# Altium PCB controller.PcbDoc (part 1 of 2) (continued)
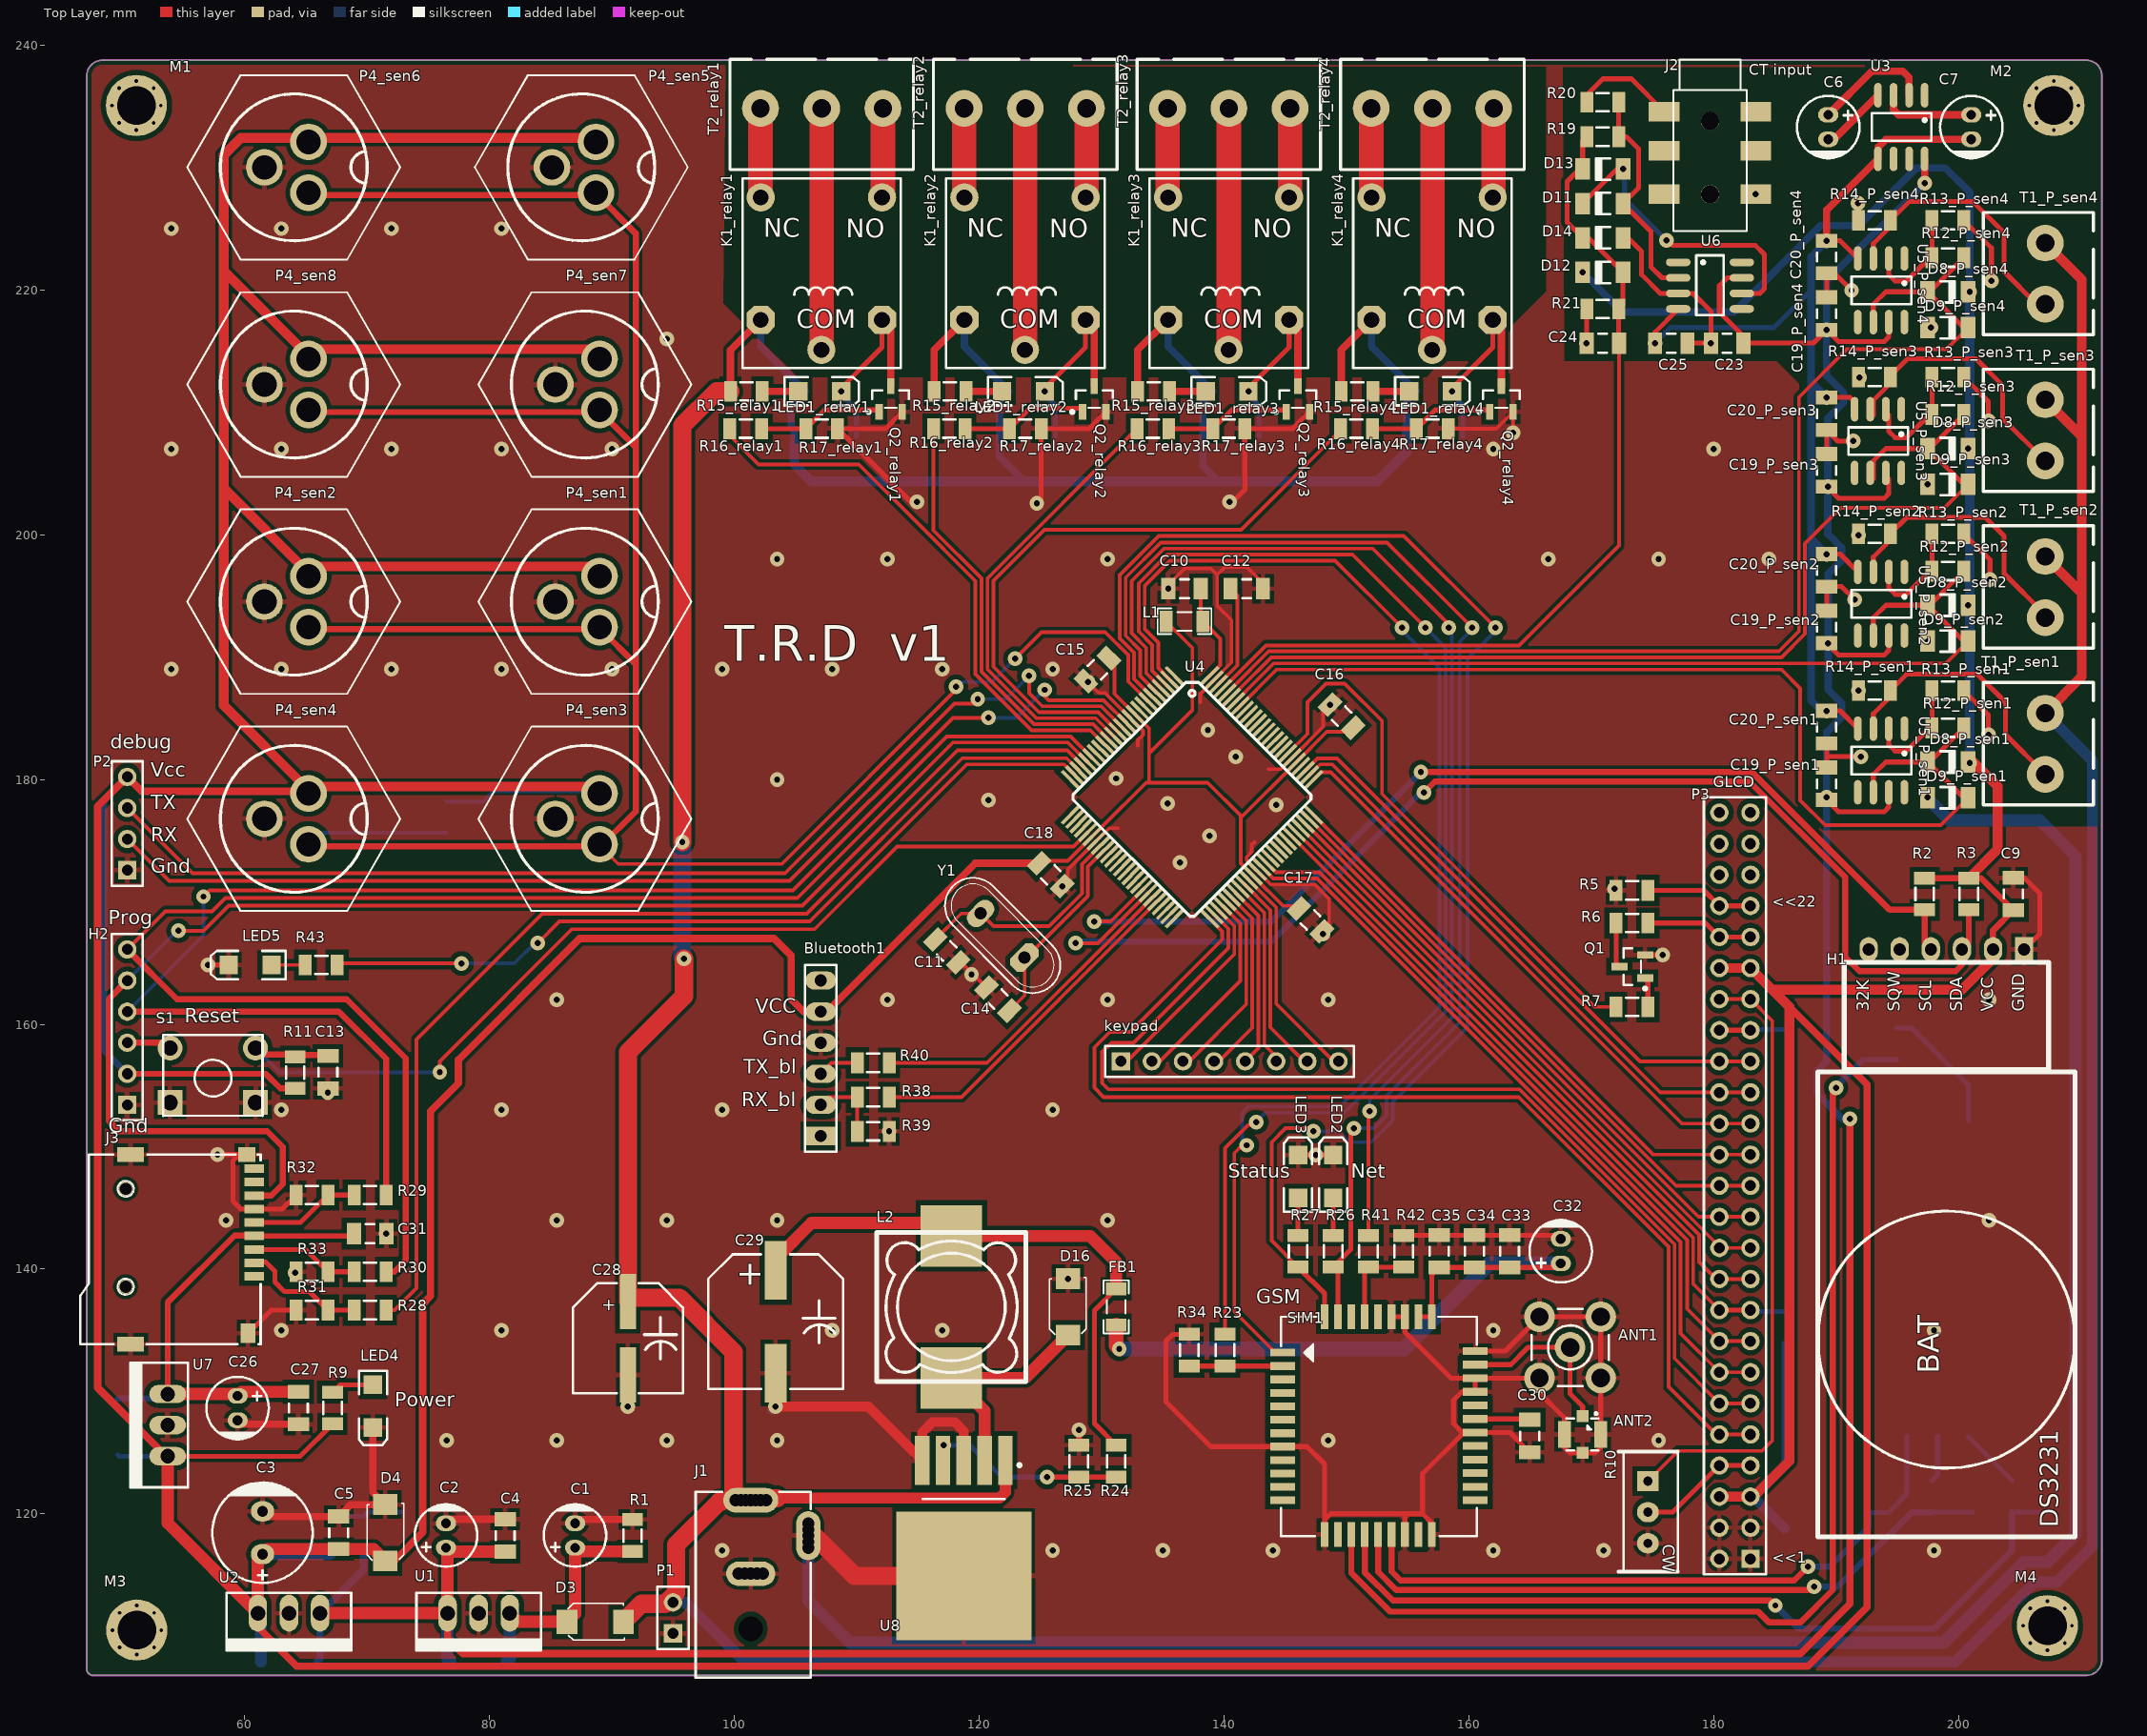
[diagram p0: Top Layer view]
## Components (designator, comment, footprint, x,y, rotation, side; value= is the part's Value field where it differs from the comment)
ANT1 "Antenna" SMA 168.275,133.604 r0 top
ANT2 "Antenna" "UFL ant" 169.291,126.492 r180 top
Bluetooth1 "H-1x6" H-1x6 107.061,157.353 r90 top
C1 "100uF" "cap 01" 86.995,118.237 r270 top
C2 "100uF" "cap 01" 76.454,118.237 r270 top
C3 "1000uF" "cap 03" 61.468,118.463 r270 top
C4 "Cap" "CAP 1206 (3216X15L)" 81.28,118.237 r270 top value=100nF
C5 "Cap" "CAP 1206 (3216X15L)" 67.691,118.463 r270 top value=100nF
C6 "Cap" "cap 01" 189.357,233.299 r90 top value=100u
C7 "Cap" "cap 01" 201.041,233.299 r90 top value=100u
C8 "Cap" "CAP 1206 (3216X15L)" 185.801,117.475 r90 bottom value=100nF
C9 "Cap" "CAP 1206 (3216X15L)" 204.47,170.644 r270 top value=100nF
C10 "Cap" "CAP 1206 (3216X15L)" 136.779,195.58 r0 top value=100nF
C11 "Cap" "CAP 1206 (3216X15L)" 117.348,165.989 r315 top value=22pF
C12 "Cap" "CAP 1206 (3216X15L)" 141.859,195.58 r180 top value=100nF
C13 "Cap" "CAP 1206 (3216X15L)" 66.802,156.083 r270 top value=10nF
C14 "Cap" "CAP 1206 (3216X15L)" 121.539,162.052 r135 top value=22pF
C15 "Cap" "CAP 1206 (3216X15L)" 129.667,188.976 r45 top value=100nF
C16 "Cap" "CAP 1206 (3216X15L)" 149.606,185.166 r315 top value=100nF
C17 "Cap" "CAP 1206 (3216X15L)" 147.066,168.529 r135 top value=100nF
C18 "Cap" "CAP 1206 (3216X15L)" 125.857,172.212 r135 top value=100nF
C19_P_sen1 "Cap" "CAP 1206 (3216X15L)" 189.23,179.65 r90 top value=100nF (schematic designator C19)
C19_P_sen2 "Cap" "CAP 1206 (3216X15L)" 189.23,192.453 r90 top value=100nF (schematic designator C19)
C19_P_sen3 "Cap" "CAP 1206 (3216X15L)" 189.23,205.256 r90 top value=100nF (schematic designator C19)
C19_P_sen4 "Cap" "CAP 1206 (3216X15L)" 189.23,218.059 r90 top value=100nF (schematic designator C19)
C20_P_sen1 "Cap" "CAP 1206 (3216X15L)" 189.23,184.277 r90 top value=100nF (schematic designator C20)
C20_P_sen2 "Cap" "CAP 1206 (3216X15L)" 189.23,197.08 r90 top value=100nF (schematic designator C20)
C20_P_sen3 "Cap" "CAP 1206 (3216X15L)" 189.23,209.883 r90 top value=100nF (schematic designator C20)
C20_P_sen4 "Cap" "CAP 1206 (3216X15L)" 189.23,222.686 r90 top value=100nF (schematic designator C20)
C21_relay1 "Cap" "CAP 1206 (3216X15L)" 107.141,211.709 r180 bottom value=100nF (schematic designator C21)
C21_relay2 "Cap" "CAP 1206 (3216X15L)" 123.77,211.709 r180 bottom value=100nF (schematic designator C21)
C21_relay3 "Cap" "CAP 1206 (3216X15L)" 140.399,211.709 r180 bottom value=100nF (schematic designator C21)
C21_relay4 "Cap" "CAP 1206 (3216X15L)" 157.028,211.709 r180 bottom value=100nF (schematic designator C21)
C22 "Cap" "CAP 1206 (3216X15L)" 79.121,176.856 r90 bottom value=100nF
C23 "Cap" "CAP 1206 (3216X15L)" 181.1,215.646 r180 top value=100nF
C24 "Cap" "CAP 1206 (3216X15L)" 170.94,215.646 r0 top value=22uF
C25 "Cap" "CAP 1206 (3216X15L)" 176.528,215.646 r180 top value=100nF
C26 "100uF" "cap 01" 59.436,128.651 r90 top
C27 "Cap" "CAP 1206 (3216X15L)" 64.389,128.651 r90 top value=100nF
C28 "" "Cap SMD 100UF 35~50v" 91.313,134.356 r90 top value=100uF
C29 "" "CAP SMD 1000UF 16V" 103.378,135.706 r90 top value=1000uF
C30 "Cap" "CAP 1206 (3216X15L)" 164.973,126.365 r90 top value=4.7u
C31 "Cap" "CAP 1206 (3216X15L)" 70.259,142.892 r180 top value=100nF
C32 "100uF" "cap 01" 167.513,141.462 r270 top
C33 "Cap" "CAP 1206 (3216X15L)" 163.322,141.462 r270 top value=10pF
C34 "Cap" "CAP 1206 (3216X15L)" 160.447,141.462 r270 top value=33pF
C35 "Cap" "CAP 1206 (3216X15L)" 157.573,141.462 r270 top value=100nF
C36 "Cap" "CAP 1206 (3216X15L)" 192.151,158.397 r270 bottom value=22pF
C37 "Cap" "CAP 1206 (3216X15L)" 192.659,121.44 r270 bottom value=100nF
C38 "Cap" "CAP 1206 (3216X15L)" 201.142,121.44 r270 bottom value=22pF
C39 "Cap" "CAP 1206 (3216X15L)" 207.645,121.44 r270 bottom value=22pF
D1 "uf4007" "SMA DIODE 2" 79.121,108.712 r0 bottom
D2 "uf4007" "SMA DIODE 2" 63.627,108.585 r0 bottom
D3 "uf4007" "SMA DIODE 2" 88.646,111.188 r180 top
D4 "uf4007" "SMA DIODE 2" 71.501,118.463 r270 top
D5 "1n4148" LL4148 67.056,118.491 r90 bottom
D7 "Diode Zener" LL4148 72.771,118.491 r90 bottom
D8_P_sen1 "1N4148" LL4148 199.136,181.428 r0 top (schematic designator D8)
D8_P_sen2 "1N4148" LL4148 199.136,194.231 r0 top (schematic designator D8)
D8_P_sen3 "1N4148" LL4148 199.136,207.034 r0 top (schematic designator D8)
D8_P_sen4 "1N4148" LL4148 199.136,219.837 r0 top (schematic designator D8)
D9_P_sen1 "1N4148" LL4148 199.136,178.507 r0 top (schematic designator D9)
D9_P_sen2 "1N4148" LL4148 199.136,191.31 r0 top (schematic designator D9)
D9_P_sen3 "1N4148" LL4148 199.136,204.113 r0 top (schematic designator D9)
D9_P_sen4 "1N4148" LL4148 199.136,216.916 r0 top (schematic designator D9)
D10_relay1 "UF4007" "SMA DIODE 2" 107.316,208.026 r180 bottom (schematic designator D10)
D10_relay2 "UF4007" "SMA DIODE 2" 123.945,208.026 r180 bottom (schematic designator D10)
D10_relay3 "UF4007" "SMA DIODE 2" 140.574,208.026 r180 bottom (schematic designator D10)
D10_relay4 "UF4007" "SMA DIODE 2" 157.203,208.026 r180 bottom (schematic designator D10)
D11 "1N4148" LL4148 170.94,227.059 r180 top
D12 "1N4148" LL4148 170.94,221.427 r180 top
D13 "1N4148" LL4148 170.94,229.875 r180 top
D14 "1N4148" LL4148 170.94,224.243 r180 top
D15 "uf4007" "SMA DIODE 2" 49.657,127.127 r270 bottom
D16 "1n5822" "SMA DIODE 2" 127.254,136.906 r270 top
FB1 "Ferrite bead" FB1206 131.191,136.906 r270 top value=270R
H1 "H-1x6" ds3231 205.359,166.116 r90 top
H2 "programer" HDR1X6 50.419,153.416 r90 top
J1 "Power Jack" "Power Jack" 101.346,106.617 r90 top
J2 "3.5mm headphone jack" "PHONE JACK" 179.703,233.807 r270 top
J3 "MicroSD" SD_card 55.542,141.607 r270 top
K1_relay1 "Relay" "Relay 15.40x12.10x13.10" 107.116,215.101 r0 top (schematic designator K1)
K1_relay2 "Relay" "Relay 15.40x12.10x13.10" 123.745,215.101 r0 top (schematic designator K1)
K1_relay3 "Relay" "Relay 15.40x12.10x13.10" 140.374,215.101 r0 top (schematic designator K1)
K1_relay4 "Relay" "Relay 15.40x12.10x13.10" 157.003,215.101 r0 top (schematic designator K1)
keypad "Header 8" HDR1X8 131.572,156.972 r0 top
L1 "Inductor" IND1206 136.779,192.913 r180 top value=10uH
L2 "Inductor" INDUCTOR 117.729,136.906 r180 top value=100uH
LED1_relay1 "LED0" "LED 1206" 106.991,211.709 r0 top (schematic designator LED1)
LED1_relay2 "LED0" "LED 1206" 123.62,211.709 r0 top (schematic designator LED1)
LED1_relay3 "LED0" "LED 1206" 140.249,211.709 r0 top (schematic designator LED1)
LED1_relay4 "LED0" "LED 1206" 156.878,211.709 r0 top (schematic designator LED1)
LED2 "LED" "LED 1206" 148.924,147.574 r90 top
LED3 "LED" "LED 1206" 146.05,147.574 r90 top
LED4 "LED" "LED 1206" 70.485,128.801 r270 top
LED5 "LED" "LED 1206" 60.452,164.846 r180 top
M1 "Screw" "Board Screw" 51.164,235.06 r180 top
M2 "Screw" "Board Screw" 207.789,235.06 r180 top
M3 "Screw" "Board Screw" 51.198,110.507 r0 top
M4 "Screw" "Board Screw" 207.264,110.871 r0 top
P1 "Header 2" HDR1X2 94.996,110.236 r90 top
P2 "Header 4" HDR1X4 50.419,172.593 r90 top
P3 "Header 25X2" HDR2X25 183.007,116.332 r90 top
P4_sen1 "Header 3" "3PIN CONNECTOR" 87.793,194.525 r90 top (schematic designator P4)
P4_sen2 "Header 3" "3PIN CONNECTOR" 64.02,194.525 r90 top (schematic designator P4)
P4_sen3 "Header 3" "3PIN CONNECTOR" 87.793,176.784 r90 top (schematic designator P4)
P4_sen4 "Header 3" "3PIN CONNECTOR" 64.02,176.784 r90 top (schematic designator P4)
P4_sen5 "Header 3" "3PIN CONNECTOR" 87.503,230.008 r90 top (schematic designator P4)
P4_sen6 "Header 3" "3PIN CONNECTOR" 64.02,230.008 r90 top (schematic designator P4)
P4_sen7 "Header 3" "3PIN CONNECTOR" 87.793,212.266 r90 top (schematic designator P4)
P4_sen8 "Header 3" "3PIN CONNECTOR" 64.02,212.266 r90 top (schematic designator P4)
Q1 "C945" SOT23_N 173.355,164.719 r180 top
Q2_relay1 "C945" SOT23_N 112.776,211.074 r90 top (schematic designator Q2)
Q2_relay2 "C945" SOT23_N 129.405,211.074 r90 top (schematic designator Q2)
Q2_relay3 "C945" SOT23_N 146.034,211.074 r90 top (schematic designator Q2)
Q2_relay4 "C945" SOT23_N 162.663,211.074 r90 top (schematic designator Q2)
R1 "Res1" "RES 1206 (3216X08L)" 91.694,119.535 r270 top value=1K
R2 "Res1" "RES 1206 (3216X08L)" 197.231,171.942 r270 top value=10K
R3 "Res1" "RES 1206 (3216X08L)" 200.838,171.942 r270 top value=10K
R4 "Res1" "RES 1206 (3216X08L)" 69.723,117.193 r90 bottom value=10K
R5 "Res1" "RES 1206 (3216X08L)" 172.029,170.942 r0 top value=10K
R6 "Res1" "RES 1206 (3216X08L)" 172.029,168.275 r0 top value=330
R7 "Res1" "RES 1206 (3216X08L)" 174.625,161.417 r180 top value=10K
R8 "Res1" "RES 1206 (3216X08L)" 185.801,133.929 r90 bottom value=1K
R9 "Res1" "RES 1206 (3216X08L)" 67.183,127.353 r90 top value=4.7K
R10 "Multi_turn" "Multi Turn 02" 174.625,122.682 r0 top value=50K
R11 "Res1" "RES 1206 (3216X08L)" 64.135,157.353 r270 top value=1K
R12_P_sen1 "Res1" "RES 1206 (3216X08L)" 197.838,184.222 r0 top value=5.1K (schematic designator R12)
R12_P_sen2 "Res1" "RES 1206 (3216X08L)" 197.838,197.025 r0 top value=5.1K (schematic designator R12)
R12_P_sen3 "Res1" "RES 1206 (3216X08L)" 197.838,209.828 r0 top value=5.1K (schematic designator R12)
R12_P_sen4 "Res1" "RES 1206 (3216X08L)" 197.838,222.631 r0 top value=5.1K (schematic designator R12)
R13_P_sen1 "Res1" "RES 1206 (3216X08L)" 200.434,187.27 r180 top value=1.2K (schematic designator R13)
R13_P_sen2 "Res1" "RES 1206 (3216X08L)" 200.434,200.073 r180 top value=1.2K (schematic designator R13)
R13_P_sen3 "Res1" "RES 1206 (3216X08L)" 200.434,212.876 r180 top value=1.2K (schematic designator R13)
R13_P_sen4 "Res1" "RES 1206 (3216X08L)" 200.434,225.679 r180 top value=1.2K (schematic designator R13)
R14_P_sen1 "Res1" "RES 1206 (3216X08L)" 191.841,187.27 r0 top value=47 (schematic designator R14)
R14_P_sen2 "Res1" "RES 1206 (3216X08L)" 191.841,200.073 r0 top value=47 (schematic designator R14)
R14_P_sen3 "Res1" "RES 1206 (3216X08L)" 191.841,212.876 r0 top value=47 (schematic designator R14)
R14_P_sen4 "Res1" "RES 1206 (3216X08L)" 191.841,225.679 r0 top value=47 (schematic designator R14)
R15_relay1 "Res1" "RES 1206 (3216X08L)" 102.291,211.709 r180 top value=1K (schematic designator R15)
R15_relay2 "Res1" "RES 1206 (3216X08L)" 118.92,211.709 r180 top value=1K (schematic designator R15)
R15_relay3 "Res1" "RES 1206 (3216X08L)" 135.549,211.709 r180 top value=1K (schematic designator R15)
R15_relay4 "Res1" "RES 1206 (3216X08L)" 152.178,211.709 r180 top value=1K (schematic designator R15)
R16_relay1 "Res1" "RES 1206 (3216X08L)" 102.235,208.661 r180 top value=10K (schematic designator R16)
R16_relay2 "Res1" "RES 1206 (3216X08L)" 118.864,208.661 r180 top value=10K (schematic designator R16)
R16_relay3 "Res1" "RES 1206 (3216X08L)" 135.493,208.661 r180 top value=10K (schematic designator R16)
R16_relay4 "Res1" "RES 1206 (3216X08L)" 152.122,208.661 r180 top value=10K (schematic designator R16)
R17_relay1 "Res1" "RES 1206 (3216X08L)" 108.439,208.661 r180 top value=47K (schematic designator R17)
R17_relay2 "Res1" "RES 1206 (3216X08L)" 125.068,208.661 r180 top value=47K (schematic designator R17)
R17_relay3 "Res1" "RES 1206 (3216X08L)" 141.697,208.661 r180 top value=47K (schematic designator R17)
R17_relay4 "Res1" "RES 1206 (3216X08L)" 158.326,208.661 r180 top value=47K (schematic designator R17)
R18 "Res1" "RES 1206 (3216X08L)" 76.454,175.64 r90 bottom value=4.7k
R19 "Res1" "RES 1206 (3216X08L)" 172.238,232.515 r180 top value=5.1k
R20 "Res1" "RES 1206 (3216X08L)" 169.642,235.331 r0 top value=1.2K
R21 "Res1" "RES 1206 (3216X08L)" 169.642,218.437 r0 top value=2.2Meg
R22 "Res1" "RES 1206 (3216X08L)" 185.801,156.972 r90 bottom value=10K
R23 "Res1" "RES 1206 (3216X08L)" 140.081,132.08 r90 top value=2.2K
R24 "Res1" "RES 1206 (3216X08L)" 131.191,123.007 r90 top value=4.3K
R25 "Res1" "RES 1206 (3216X08L)" 128.143,125.603 r270 top value=1.8K
R26 "Res1" "RES 1206 (3216X08L)" 148.924,140.164 r90 top value=1K
R27 "Res1" "RES 1206 (3216X08L)" 146.05,140.164 r90 top value=1K
R28 "Res1" "RES 1206 (3216X08L)" 68.961,136.652 r0 top value=2.2K
R29 "Res1" "RES 1206 (3216X08L)" 68.961,146.05 r0 top value=2.2K
R30 "Res1" "RES 1206 (3216X08L)" 68.961,139.785 r0 top value=2.2K
R31 "Res1" "RES 1206 (3216X08L)" 64.206,136.652 r0 top value=3.3K
R32 "Res1" "RES 1206 (3216X08L)" 64.206,146.05 r0 top value=3.3K
R33 "Res1" "RES 1206 (3216X08L)" 64.206,139.785 r0 top value=3.3K
R34 "Res1" "RES 1206 (3216X08L)" 137.16,132.08 r90 top value=3.3K
R35 "Res1" "RES 1206 (3216X08L)" 194.945,159.695 r270 bottom value=51
R36 "Res1" "RES 1206 (3216X08L)" 197.866,120.142 r90 bottom value=51
R37 "Res1" "RES 1206 (3216X08L)" 204.369,120.142 r90 bottom value=51
R38 "Res1" "RES 1206 (3216X08L)" 112.649,154.051 r180 top value=2.2k
R39 "Res1" "RES 1206 (3216X08L)" 112.649,151.257 r180 top value=3.3k
R40 "Res1" "RES 1206 (3216X08L)" 110.053,156.845 r0 top value=1K
R41 "Res1" "RES 1206 (3216X08L)" 151.799,142.76 r270 top value=2.2K
R42 "Res1" "RES 1206 (3216X08L)" 154.673,142.76 r270 top value=3.3K
R43 "Res1" "RES 1206 (3216X08L)" 67.564,164.846 r180 top value=4.7K
S1 "Switch PB" "Switch - Push to On" 57.404,155.829 r180 top
SIM1 "GSM Module" SIM800C 144.907,133.177 r90 top
SIM2 "SIM HOLDER" simcard_holder 198.308,138.008 r180 bottom
T1_P_sen1 "Terminal" "Terminal 1*2" 211.018,177.919 r90 top (schematic designator T1)
T1_P_sen2 "Terminal" "Terminal 1*2" 211.018,190.722 r90 top (schematic designator T1)
T1_P_sen3 "Terminal" "Terminal 1*2" 211.018,203.525 r90 top (schematic designator T1)
T1_P_sen4 "Terminal" "Terminal 1*2" 211.018,216.328 r90 top (schematic designator T1)
T2_relay1 "Terminal" "Terminal 1*3" 114.641,238.823 r180 top (schematic designator T2)
T2_relay2 "Terminal" "Terminal 1*3" 131.27,238.823 r180 top (schematic designator T2)
T2_relay3 "Terminal" "Terminal 1*3" 147.899,238.823 r180 top (schematic designator T2)
T2_relay4 "Terminal" "Terminal 1*3" 164.528,238.823 r180 top (schematic designator T2)
U1 "7808" REG-7805-WALL 79.121,111.887 r180 top
U2 "7805" REG-7805-WALL 63.627,111.887 r180 top
U3 "7660" SOIC8-Narrow 195.326,233.299 r180 top
U4 "ATMEGA2560" MY_ATMEGA2560 135.863,180.434 r315 top
U5_P_sen1 "ADOP27AH" SOIC8-Narrow 193.675,181.555 r180 top (schematic designator U5)
U5_P_sen2 "ADOP27AH" SOIC8-Narrow 193.675,194.358 r180 top (schematic designator U5)
U5_P_sen3 "ADOP27AH" SOIC8-Narrow 193.421,207.645 r180 top (schematic designator U5)
U5_P_sen4 "ADOP27AH" SOIC8-Narrow 193.675,219.964 r180 top (schematic designator U5)
U6 "ADOP27AH" SOIC8-Narrow 179.703,220.345 r270 top
U7 "lf33" REG-7805-WALL 53.721,127.254 r90 top
U8 "lm2576-adj" 2596 118.745,117.983 r270 top
Y1 "16Mhz" My_Crystal 121.92,167.259 r135 top

## Footprints (in the part's own frame and the unit in brackets; to place one, negate y for a bottom-side part, rotate by r counter-clockwise, add the part's x,y. Pads: shape width x height; smd on the part's side, far side on the other; paste and mask are expansions set on the pad)
"3PIN CONNECTOR" [mm]
  round 3 hole 2: 1(0,2.4) 2(-2.078,-1.2) 3(2.078,-1.2)
  silkscreen extent -7.53,-8.7 7.53,8.7
2596 [mm]
  rect 4x1.2 smd: 1(-6.4,3.4) 2(-6.4,1.7) 3(-6.4,0) 4(-6.4,-1.7) 5(-6.4,-3.4)
  rect 10.5x11.05 smd: 3(3.048,0)
  silkscreen extent -6.12,-3.35 -3.25,4.68, body extent -2.05,-3.35 4.15,3.35, height 2.38
"Board Screw" [mm]
  round 0.6 hole 0.3: S(-2,0) S(-1.414,1.414) S(-1.414,-1.414) S(0,2) S(0,-2) S(1.414,1.414) S(1.414,-1.414) S(2,0)
  round 5 hole 3.15 mask+0.1: S(0,0)
  body extent -2.67,-2.64 2.69,2.72, height 2.34
"cap 01" [mm]
  oval 1.27x1.651 hole 0.8: 1(1,0) 2(-1,0)
  silkscreen extent -2.55,-2.55 2.55,2.55, body extent -2.53,-2.53 2.53,2.53, height 12.54
"cap 03" [mil]
  oval 65x75 hole 35: 1(68.9,0) 2(-68.9,0)
  silkscreen extent -161,-161 161,161, body extent -159,-159 157,158, height 473
"CAP 1206 (3216X15L)" [mm] "Chip Capacitor, 2-Leads, Body 3.2x1.6mm, IPC High Density"
  rect 1.15x1.75 smd: 1(-1.325,0) 2(1.325,0)
  silkscreen extent -0.35,-0.77 0.35,0.77, body extent -1.6,-0.8 1.6,0.8, height 1
"Cap SMD 100UF 35~50v" [mm]
  rect 4.5x1.3 smd: 1(3,0) 2(-3,0)
  silkscreen extent -4.5,-4.5 4.5,4.5
"CAP SMD 1000UF 16V" [mm]
  rect 4.8x1.8 smd: 1(4.2,0) 2(-4.2,0)
  silkscreen extent -5.5,-5.5 5.5,5.5
ds3231 [mm]
  rect 2x1.5 hole 1: 1(0,0)
  oval 2x1.5 hole 1: 2(0,2.54) 3(0,5.08) 4(0,7.62) 5(0,10.16) 6(0,12.7)
  silkscreen extent -48,-4.15 -1.05,16.85
FB1206 [mm] "Ferrite Chip Bead SMD 1206-Design:Ali Hafizi"
  rect 1.05x1.7 smd: 1(-1.475,0) 2(1.475,0)
  silkscreen extent -2.17,-1.02 2.18,1.02, body extent -1.59,-0.8 1.61,0.8, height 1.1
H-1x6 [mm]
  rect 1.5x2.5 hole 1: 1(-6.477,0)
  oval 1.5x2.5 hole 1: 2(-3.937,0) 3(-1.397,0) 4(1.143,0) 5(3.683,0) 6(6.223,0)
  silkscreen extent -7.75,-1.27 7.49,1.27
HDR1X2 [mm] "Connector; Header; 2 Position"
  rect 1.5x1.5 hole 0.9: 1(0,0)
  round 1.5 hole 0.9: 2(2.54,0)
  silkscreen extent -1.27,-1.27 3.81,1.27
HDR1X4 [mm] "Connector; Header; 4 Position"
  rect 1.5x1.5 hole 0.9: 1(0,0)
  round 1.5 hole 0.9: 2(2.54,0) 3(5.08,0) 4(7.62,0)
  silkscreen extent -1.27,-1.27 8.89,1.27
HDR1X6 [mm] "Connector; Header; 6 Position"
  rect 1.5x1.5 hole 0.9: 1(0,0)
  round 1.5 hole 0.9: 2(2.54,0) 3(5.08,0) 4(7.62,0) 5(10.16,0) 6(12.7,0)
  silkscreen extent -1.27,-1.27 13.97,1.27
HDR1X8 [mm] "Connector; Header; 8 Position"
  rect 1.5x1.5 hole 0.9: 1(0,0)
  round 1.5 hole 0.9: 2(2.54,0) 3(5.08,0) 4(7.62,0) 5(10.16,0) 6(12.7,0) 7(15.24,0) 8(17.78,0)
  silkscreen extent -1.27,-1.27 19.05,1.27
HDR2X25 [mm] "Connector; Header; 25x2 Position"
  rect 1.5x1.5 hole 0.9: 1(0,0)
  round 1.5 hole 0.9: 2(0,2.54) 3(2.54,0) 4(2.54,2.54) 5(5.08,0) 6(5.08,2.54) 7(7.62,0) 8(7.62,2.54) 9(10.16,0) 10(10.16,2.54) 11(12.7,0) 12(12.7,2.54) 13(15.24,0) 14(15.24,2.54) 15(17.78,0) 16(17.78,2.54) 17(20.32,0) 18(20.32,2.54) 19(22.86,0) 20(22.86,2.54) 21(25.4,0) 22(25.4,2.54) 23(27.94,0) 24(27.94,2.54) 25(30.48,0) 26(30.48,2.54) 27(33.02,0) 28(33.02,2.54) 29(35.56,0) 30(35.56,2.54) 31(38.1,0) 32(38.1,2.54) 33(40.64,0) 34(40.64,2.54) 35(43.18,0) 36(43.18,2.54) 37(45.72,0) 38(45.72,2.54) 39(48.26,0) 40(48.26,2.54) 41(50.8,0) 42(50.8,2.54) 43(53.34,0) 44(53.34,2.54) 45(55.88,0) 46(55.88,2.54) 47(58.42,0) 48(58.42,2.54) 49(60.96,0) 50(60.96,2.54)
  silkscreen extent -1.27,-1.27 62.23,3.81
IND1206 [mm] "Chip Inductor, 2-Leads, Body 3/20x1/60mm, IPC Medium Density DESIGNER:ABBAS BASEREH"
  rect 1.04x1.74 smd: 1(-1.51,0) 2(1.51,0)
  silkscreen extent -2.2,-1.05 2.2,1.05, body extent -1.65,-0.85 1.65,0.85, height 0.94
INDUCTOR [mm]
  rect 5x5 smd: 1(0,5.8) 2(0,-5.8)
  silkscreen extent -6.1,-6.1 6.1,6.1, body extent -6,-6.17 6,6.17, height 7.5
"LED 1206" [mm]
  rect 1.5x1.5 smd: 1(-1.75,0) 2(1.75,0)
  silkscreen extent -2.9,-1.15 3.2,1.15, body extent -1.65,-0.72 1.65,0.73, height 1.36
LL4148 [mm] "MELF Diode, 2-Leads, Body 3.5x1.4mm, IPC Medium Density"
  rect 1.2x1.75 smd: 1(-1.65,0) 2(1.65,0)
  silkscreen extent -0.61,-0.87 0.57,0.88, body extent -1.78,-0.75 1.72,0.75, height 1.55
"Multi Turn 02" [mil]
  rect 70x65 hole 30: 1(0,0)
  oval 70x65 hole 30: 2(0,-200) 3(0,-100)
  silkscreen extent -94,-291 96,94, body extent -73,-285 93,89, height 452
MY_ATMEGA2560 [mm]
  oct 2.1x0.3 smd mask+0.03: 1(-5.587,5.746)
  rect 2.1x0.3 smd mask+0.03: 2(-5.587,5.246) 3(-5.587,4.746) 4(-5.587,4.246) 5(-5.587,3.746) 6(-5.587,3.246) 7(-5.587,2.746) 8(-5.587,2.246) 9(-5.587,1.746) 10(-5.587,1.246) 11(-5.587,0.746) 12(-5.587,0.246) 13(-5.587,-0.254) 14(-5.587,-0.754) 15(-5.587,-1.254) 16(-5.587,-1.754) 17(-5.587,-2.254) 18(-5.587,-2.754) 19(-5.587,-3.254) 20(-5.587,-3.754) 21(-5.587,-4.254) 22(-5.587,-4.754) 23(-5.587,-5.254) 24(-5.587,-5.754) 25(-5.587,-6.254) 51(10.413,-6.254) 52(10.413,-5.754) 53(10.413,-5.254) 54(10.413,-4.754) 55(10.413,-4.254) 56(10.413,-3.754) 57(10.413,-3.254) 58(10.413,-2.754) 59(10.413,-2.254) 60(10.413,-1.754) 61(10.413,-1.254) 62(10.413,-0.754) 63(10.413,-0.254) 64(10.413,0.246) 65(10.413,0.746) 66(10.413,1.246) 67(10.413,1.746) 68(10.413,2.246) 69(10.413,2.746) 70(10.413,3.246) 71(10.413,3.746) 72(10.413,4.246) 73(10.413,4.746) 74(10.413,5.246) 75(10.413,5.746)
  rect 0.3x2.1 smd mask+0.03: 26(-3.587,-8.254) 27(-3.087,-8.254) 28(-2.587,-8.254) 29(-2.087,-8.254) 30(-1.587,-8.254) 31(-1.087,-8.254) 32(-0.587,-8.254) 33(-0.087,-8.254) 34(0.413,-8.254) 35(0.913,-8.254) 36(1.413,-8.254) 37(1.913,-8.254) 38(2.413,-8.254) 39(2.913,-8.254) 40(3.413,-8.254) 41(3.913,-8.254) 42(4.413,-8.254) 43(4.913,-8.254) 44(5.413,-8.254) 45(5.913,-8.254) 46(6.413,-8.254) 47(6.913,-8.254) 48(7.413,-8.254) 49(7.913,-8.254) 50(8.413,-8.254) 76(8.413,7.746) 77(7.913,7.746) 78(7.413,7.746) 79(6.913,7.746) 80(6.413,7.746) 81(5.913,7.746) 82(5.413,7.746) 83(4.913,7.746) 84(4.413,7.746) 85(3.913,7.746) 86(3.413,7.746) 87(2.913,7.746) 88(2.413,7.746) 89(1.913,7.746) 90(1.413,7.746) 91(0.913,7.746) 92(0.413,7.746) 93(-0.087,7.746) 94(-0.587,7.746) 95(-1.087,7.746) 96(-1.587,7.746) 97(-2.087,7.746) 98(-2.587,7.746) 99(-3.087,7.746) 100(-3.587,7.746)
  silkscreen extent -4.59,-7.25 9.41,6.75
My_Crystal [mil]
  oct 60x100 hole 40: 1(-100,0)
  oval 60x100 hole 40: 2(100,0)
  silkscreen extent -225,-90 225,90
"PHONE JACK" [mm]
  round 1.5 hole 1.5: 0(0,0) 0(6,0)
  rect 1.6x2.5 smd: 1(-0.75,3.75) 1(-0.75,-3.75) 2(2.45,3.75) 2(2.45,-3.75) 3(6,3.75) 3(6,-3.75)
  silkscreen extent -5,-3 9,3
"Power Jack" [mm] "Power Adaptor Jack"
  round 1.5 hole 1: 1(14.5,-1.25) 1(14.5,-0.8) 1(14.5,-0.4) 1(14.5,0.4) 1(14.5,0.8) 1(14.5,1.25) 2(8.5,-1) 2(8.5,1) 2(8.5,-0.5) 2(8.5,0.5) 3(10.6,-4.7) 3(11.1,-4.7) 3(12.1,-4.7) 3(12.6,-4.7)
  oval 2x4.5 hole 1: 1(14.5,0)
  oval 2x4 hole 1: 2(8.5,0)
  oval 4x2 hole 1: 3(11.6,-4.7)
  round 1.9 hole 2: MH(4,0)
  silkscreen extent 0,-4.9 15.2,4.5, body extent 0,-4.9 15.2,4.5, height 11
REG-7805-WALL [mm]
  oval 1.5x3 hole 1.2: 1(-2.54,0) 2(0,0) 3(2.54,0)
  silkscreen extent -5.08,-1.65 5.08,3.05, body extent -5.2,-1.71 5.2,2.79, height 20
"Relay 15.40x12.10x13.10" [mm]
  round 2.3 hole 1.3: 1(0,0) 2(-4.95,12.45) 3(4.95,12.45)
  oct 2.3x2.3 hole 1.3: 4(-4.95,2.45) 5(4.95,2.45)
  silkscreen extent -6.45,-1.5 6.5,14, body extent -6.05,-1.3 6.05,14, height 16.1
"RES 1206 (3216X08L)" [mm] "Chip Resistor, 2-Leads, Body 3.2x1.6mm, IPC High Density _ (0.125 W)"
  rect 1.05x1.7 smd: 1(0,0) 2(2.596,0)
  silkscreen extent 0.8,-0.75 1.8,0.75, body extent -0.23,-0.76 2.82,0.76, height 0.6
SD_card [mm]
  round 1.2 hole 1: 0(-4.95,-5.25) 0(3.05,-5.25)
  rect 0.7x1.6 smd: 1(2.2,5.25) 2(1.1,5.25) 3(0,5.25) 4(-1.1,5.25) 5(-2.2,5.25) 6(-3.3,5.25) 7(-4.4,5.25) 8(-5.5,5.25) 9(-6.6,5.25)
  rect 1.2x1.4 smd: sh1(-7.75,4.65)
  rect 1.2x2.2 smd: sh2(-7.75,-4.85) sh3(7.75,-4.85)
  rect 1.6x1.2 smd: sh4(6.85,4.75)
  silkscreen extent -7.76,-8.95 7.74,5.77, body extent -7.78,-8.98 7.74,5.81, height 1
SIM800C [mil]
  rect 25x80 smd: 1(0,5) 2(-43.18,5) 3(-86.36,5) 4(-129.55,5) 5(-172.73,5) 6(-215.91,5) 7(-259.09,5) 8(-302.27,5) 9(-345.45,5) 10(-388.64,5) 11(-431.82,5) 12(-475,5) 22(-475,-615) 23(-431.36,-615) 24(-387.73,-615) 25(-344.09,-615) 26(-300.45,-615) 27(-256.82,-615) 28(-213.18,-615) 29(-169.55,-615) 30(-125.91,-615) 31(-82.27,-615) 32(-38.64,-615) 33(5,-615)
  rect 80x25 smd: 13(-585,-130) 14(-585,-173.13) 15(-585,-216.25) 16(-585,-259.38) 17(-585,-302.5) 18(-585,-345.63) 19(-585,-388.75) 20(-585,-431.88) 21(-585,-475) 34(115,-475) 35(115,-431.88) 36(115,-388.75) 37(115,-345.62) 38(115,-302.5) 39(115,-259.38) 40(115,-216.25) 41(115,-173.12) 42(115,-130)
  silkscreen extent -590,-620 115,10, body extent -583,-613 110,5, height 88
simcard_holder [mm]
  rect 1x2 smd: 1(2.521,-11.662) 2(0.021,-11.662) 3(-2.479,-11.662) 4(2.521,14.138) 5(0.021,14.138) 6(-2.479,14.138)
  silkscreen extent -9.78,-12.19 7.07,17.74, body extent -9.83,-11.93 7.37,17.71, height 3.6
SMA [mm]
  round 2.5 hole 1.5: 1(0,0) 2(-2.5,-2.5) 2(-2.5,2.5) 2(2.5,-2.5) 2(2.5,2.5)
  silkscreen extent -3.15,-3.15 3.15,3.15, body extent -3.25,-3.25 3.25,3.25, height 10.2
"SMA DIODE 2" [mm]
  rect 1.7x2 smd: 1(-2.3,0) 2(2.3,0)
  silkscreen extent -2.4,-1.5 2.25,1.5, body extent -2.1,-1.3 2.1,1.3, height 0.55
SOIC8-Narrow [mm] "SOIC, 8-Leads, Body 3.0x3.0mm (max), Pitch 1.27mm, IPC Medium Density"
  oval 0.625x2 smd: 1(-1.905,-2.6) 2(-0.635,-2.6) 3(0.635,-2.6) 4(1.905,-2.6) 5(1.905,2.6) 6(0.635,2.6) 7(-0.635,2.6) 8(-1.905,2.6)
  silkscreen extent -2.47,-1.12 2.41,1.13, body extent -2.41,-3.1 2.41,3.1, height 1.7
SOT23_N [mm] "SOT23, 3-Leads, Body 2.9x1.3mm, Pitch 0.95mm, Lead Span 2.3mm, IPC Medium Density"
  rect 1.3x0.6 smd: 1(-1.05,0.95) 2(-1.05,-0.95) 3(1.05,0)
  silkscreen extent -1.18,-1.5 0.7,1.92, body extent -1.27,-1.5 1.27,1.5, height 1.1
"Switch - Push to On" [mil]
  rect 80x80 hole 50: 1(-137.5,87.5) 1(137.5,87.5)
  round 80 hole 50: 2(-137.5,-87.5) 2(137.5,-87.5)
  silkscreen extent -160,-130 160,130, body extent -155,-121 157,123, height 205
"Terminal 1*2" [mm]
  round 3 hole 1.5: 1(2.493,3.937) 2(7.493,3.937)
  silkscreen extent 0,0 10,9
"Terminal 1*3" [mm]
  round 3 hole 1.5: 1(2.5,4) 2(7.5,4) 3(12.5,4)
  silkscreen extent 0,0 15,9
"UFL ant" [mm]
  rect 1.05x2.2 smd: G(-1.475,0) G(1.475,0)
  rect 1x1 smd: G(0,1.5) S(0,-1.5)
  silkscreen extent -1.3,-1.8 1.3,1.3, body extent -1.5,-1.54 1.5,1.54, height 1.3

## Part data
ANT1 ANT2: library part "ANT SMA", Designer="Ali Hafizi"
C1 C2 C3 C26 C32: library part Cap-Polar, "Polar Capacitor", Voltage=16V, Adding Date=1387/12/20, Designer="Saeid Jorablo", Organazation=ControTec
C4 C5 C8 C9 C10 C11 C12 C13 C14 C15 C16 C17 C18 C19_P_sen1 C19_P_sen2 C19_P_sen3 C19_P_sen4 C20_P_sen1 C20_P_sen2 C20_P_sen3 C20_P_sen4 C21_relay1 C21_relay2 C21_relay3 C21_relay4 C22 C23 C24 C25 C27 C30 C31 C33 C34 C35 C36 C37 C38 C39: library part "Cap ceramic", "CAP-100Nf"
C6 C7: library part "Cap Pol", "CAP-3300Uf"
C28 C29: library part "Cap Pol1", "Polarized Capacitor (Radial)", LatestRevisionDate=17-Jul-2002, LatestRevisionNote="Re-released for DXP Platform.", PackageDescription="Polarized Capacitor (Radial); 2 Leads", PackageReference=RB7.6-15, Published=8-Jun-2000, Publisher="Altium Limited"
D1 D2 D3 D4 D15 D16: library part "Diode 1N4007", "1 Amp General Purpose Rectifier", Code_JEDEC=DO-204-AL, ComponentLink1Description="Manufacturer Link", ComponentLink1URL=http://www.fairchildsemi.com/, ComponentLink2Description=Datasheet, ComponentLink2URL=http://www.fairchildsemi.com/ds/1N%2F1N4001.pdf, DatasheetVersion=1998, LatestRevisionDate=17-Jul-2002, LatestRevisionNote="Re-released for DXP Platform.", PackageDescription="Diode, Axial; Body 5.2 x 2.7 mm (LxDia. max), Lead Dia. 0.86 mm (max)", PackageReference=DO-41, PackageVersion=Aug-1999, Published=8-Jun-2000, Publisher="Altium Limited"
D5: library part "Diode 1N4148", "High Conductance Fast Diode", Code_JEDEC=DO-204-AH, ComponentLink1Description="Manufacturer Link", ComponentLink1URL=http://www.fairchildsemi.com/, ComponentLink2Description=Datasheet, ComponentLink2URL=http://www.fairchildsemi.com/ds/1N%2F1N4148.pdf, DatasheetVersion=1997, LatestRevisionDate=17-Jul-2002, LatestRevisionNote="Re-released for DXP Platform.", PackageDescription="Diode, Axial; Body 3.8 x 1.9 mm (LxDia. max), Lead Dia. 0.53 mm (max)", PackageReference=DO-35, Published=8-Jun-2000, Publisher="Altium Limited"
D7: "Zener Diode", Voltage="5.1 V", Company=E.P.I.L, Design Date=2011/11/02, Designer="Saeid Jorablo"
D8_P_sen1 D8_P_sen2 D8_P_sen3 D8_P_sen4 D9_P_sen1 D9_P_sen2 D9_P_sen3 D9_P_sen4 D11 D12 D13 D14: "DIODE GEN PURP 100V 200MA DO35", ComponentLink1Description="Manufacturer Link", ComponentLink1URL=http://www.digikey.com/product-detail/en/fairchild-on-semiconductor/1N4148/1N4148FS-ND/458603, ComponentLink2Description=Datasheet, PackageDescription="DIODE GEN PURP 100V 200MA DO35", PackageReference="DO 35", PackageVersion=2017-1-12, PART.NO=1N4148, Published=2017-1-12, Publisher="Abbas Basereh"
D10_relay1 D10_relay2 D10_relay3 D10_relay4: library part Diode, "Default Diode", Code_JEDEC=DO-214-AB, LatestRevisionDate=17-Jul-2002, LatestRevisionNote="Re-released for DXP Platform.", PackageDescription="DO-214-AB/SMC; 2 C-Bend Leads; Body 7.9 x 5.9 mm, inc. leads (LxW)", PackageReference=SMC, PackageVersion=Sep-1996, Published=8-Jun-2000, Publisher="Altium Limited"
FB1: library part "Inductor Iron", "Magnetic-Core Inductor", LatestRevisionDate=17-Jul-2002, LatestRevisionNote="Re-released for DXP Platform.", PackageDescription="Axial Device, Thru-Hole; 2 Leads; 0.9 in Pin Spacing", PackageReference=AXIAL-0.9, Published=24-Mar-1999, Publisher="Altium Limited"
H2: library part H-1x6
J2: library part "phone jack"
J3: "MicroSD_altium designer (M.Hariri)", Created by="altium designer (M.Hariri)"
K1_relay1 K1_relay2 K1_relay3 K1_relay4: library part "RELAY General", "Relay_SPDT POWER NEEDLE", Company=E.P.I.L, Design_Date=2011/10/31, Designer="Ali Hafizi"
keypad: "Header, 8-Pin", LatestRevisionDate=17-Jul-2002, LatestRevisionNote="Re-released for DXP Platform.", Publisher="Altium Limited"
LED1_relay1 LED1_relay2 LED1_relay3 LED1_relay4 LED2 LED3 LED4 LED5: "Typical INFRARED GaAs LED", LatestRevisionDate=08-Jul-2005, LatestRevisionNote="Mech Layer 1 removed.", Published=8-Jun-2000, Publisher="Altium Limited"
  LED1_relay1 LED1_relay2 LED1_relay3 LED1_relay4: PackageDescription="LED; 2 Leads", PackageReference=LED-0
M1 M2 M3 M4: library part "Board Screw", "Board Screw With Spacer"
P1: "Header, 2-Pin", LatestRevisionDate=17-Jul-2002, LatestRevisionNote="Re-released for DXP Platform.", Publisher="Altium Limited"
P2: "Header, 4-Pin", LatestRevisionDate=17-Jul-2002, LatestRevisionNote="Re-released for DXP Platform.", Publisher="Altium Limited"
P3: "Header, 25-Pin, Dual row", LatestRevisionDate=17-Jul-2002, LatestRevisionNote="Re-released for DXP Platform.", Publisher="Altium Limited"
P4_sen1 P4_sen2 P4_sen3 P4_sen4 P4_sen5 P4_sen6 P4_sen7 P4_sen8: "Header, 3-Pin", LatestRevisionDate=17-Jul-2002, LatestRevisionNote="Re-released for DXP Platform.", Publisher="Altium Limited"
Q1 Q2_relay1 Q2_relay2 Q2_relay3 Q2_relay4: "NPN Silicon Epitaxial Planar Transistor", ComponentLink1Description="Manufacturer Link", ComponentLink1URL=http://www.taitroncomponents.com/, ComponentLink2Description=Datasheet, ComponentLink2URL=http://www.taitroncomponents.com/, DatasheetVersion=2017, LatestRevisionDate=2017, LatestRevisionNote="IPC-7351 Footprint Added.", PackageDescription="3-Pin SOT-23 Package 0.95 mm Pitch, 2.3 mm Lead Span", PackageReference=SOT23, PackageVersion=2017-2-8, Published=2017-2-8, Publisher="Abbas Basereh"
R1 R2 R3 R4 R5 R6 R7 R8 R9 R11 R12_P_sen1 R12_P_sen2 R12_P_sen3 R12_P_sen4 R13_P_sen1 R13_P_sen2 R13_P_sen3 R13_P_sen4 R14_P_sen1 R14_P_sen2 R14_P_sen3 R14_P_sen4 R15_relay1 R15_relay2 R15_relay3 R15_relay4 R16_relay1 R16_relay2 R16_relay3 R16_relay4 R17_relay1 R17_relay2 R17_relay3 R17_relay4 R18 R19 R20 R21 R22 R23 R24 R25 R26 R27 R28 R29 R30 R31 R32 R33 R34 R35 R36 R37 R38 R39 R40 R41 R42 R43: "Resistor", LatestRevisionDate=17-Jul-2002, LatestRevisionNote="Re-released for DXP Platform.", PackageDescription="Axial Device, Thru-Hole; 2 Leads; 0.3 in Pin Spacing", Published=8-Jun-2000, Publisher="Altium Limited"
  R1 R4 R5 R6 R7 R8 R9 R11 R12_P_sen1 R12_P_sen2 R12_P_sen3 R12_P_sen4 R13_P_sen1 R13_P_sen2 R13_P_sen3 R13_P_sen4 R14_P_sen1 R14_P_sen2 R14_P_sen3 R14_P_sen4 R15_relay1 R15_relay2 R15_relay3 R15_relay4 R16_relay1 R16_relay2 R16_relay3 R16_relay4 R17_relay1 R17_relay2 R17_relay3 R17_relay4 R18 R19 R20 R21 R22 R23 R24 R25 R26 R27 R28 R29 R30 R31 R32 R33 R34 R35 R36 R37 R38 R39 R40 R41 R42 R43: PackageReference=AXIAL-0.3
  R2 R3: PackageReference="RES 1206 (3216X08L)"
R10: "Potentiometer", LatestRevisionDate=17-Jul-2002, LatestRevisionNote="Re-released for DXP Platform.", PackageReference=VR5, Published=8-Jun-2000, Publisher="Altium Limited", Set Position=0.5, Sim Note="Enter the Resistance value and the set point into parameter fields."
S1: "Push Button Switch"
SIM1: library part SIM800C, Designer="Ali Hafizi"
T1_P_sen1 T1_P_sen2 T1_P_sen3 T1_P_sen4: library part "Terminal 1*2", "Terminal 2 Pin 250VAC 16A", ComponentLinkURL=www.picpars.com, Designer="Seyed Mohsen Ghasemain", E-mail=picpars@gmail.com
T2_relay1 T2_relay2 T2_relay3 T2_relay4: library part "Terminal 1*3", "Terminal 3 Pin 250VAC 16A", ComponentLinkURL=www.picpars.com, Designer="Seyed Mohsen Ghasemain", E-mail=picpars@gmail.com
U1 U7: library part 7805, "Regulator"
U2: "Regulator"
U4: "AVR 256K Bytes of In-System Programmable Flash Memory"
U5_P_sen1 U5_P_sen2 U5_P_sen3 U5_P_sen4 U6: "Ultra-Low Noise, Precision Operational Amplifier", ComponentLink1Description="Manufacturer Link", ComponentLink1URL=http://www.analog.com/, DatasheetVersion=1992, LatestRevisionDate=17-Jul-2002, LatestRevisionNote="Re-released for DXP Platform.", Note="Pin 5 is not connected; Pin 4 connected to case.", PackageDescription="Can; 8 Leads; Pin Circle Dia. 5.08 mm; Lead Dia. 0.53 mm (max)", PackageReference=H-08A, PackageVersion=1990, Published=8-Jun-2000, Publisher="Altium Limited"
U8: library part lm2596
Y1: library part CRYSTAL, "Crystal"
J1: Adding Date=10/21/2009, Company=Personal, Designer="Saeid Jorablo", Project Name=Laser
L1 L2: Code_IEC=1005, Code_JEITA=0402, LatestRevisionDate=29-May-2009, LatestRevisionNote="IPC-7351 Footprint Added.", PackageDescription="Chip Inductor", PackageReference=0402-A, Published=8-Jun-2000, Publisher="Altium Limited"
SIM2: Deigner="Ali Hafizi"

## Via types
v1: diameter 1.2, hole 0.5, Top Layer to Bottom Layer, tented both sides, 168 vias

## Nets (pads, with @x,y where several pads share a name; then routed paths per layer and width w, separated by ;. In a path a pad name is that pad's centre, name@x,y a point inside that pad or via, vN(x,y) a via of type N, cw(c..) or ccw(c..) an arc to the next point about the centre after c; other vN are vias at no path point)
3.3v: C26.1 C27.2 C31.2 D15.1 J3.4 U7.3 | length 40.1
  Top Layer w0.4: J3.4@60.792,142.707 68.749,142.707 C31.2@68.934,142.892
  Top Layer w0.5: U7.3@53.721,129.794 53.721,137.287 59.182,142.748 60.751,142.748 J3.4@60.792,142.707
  Top Layer w1: U7.3@53.721,129.794 59.293,129.794 C26.1@59.436,129.651 59.761,129.976 C27.2@64.389,129.976
  Bottom Layer w0.5: D15.1@49.657,129.427 53.354,129.427 U7.3@53.721,129.794
4.2v: C32.1 C33.2 C34.2 C35.2 FB1.2 SIM1.34 SIM1.35 | length 56.2
  Top Layer w0.4: SIM1.35@155.877,136.098 SIM1.34@156.972,136.098 156.972,139.536 C35.2@157.573,140.137 C34.2@160.447,140.137 C33.2@163.322,140.137 167.188,140.137 C32.1@167.513,140.462
  Top Layer w1.2: FB1.2@131.191,135.431 131.191,133.731 v1(131.445,133.477)
  Bottom Layer w1.2: v1@131.699,133.477 154.686,133.477 161.671,140.462 C32.1@167.513,140.462
8v: C2.1 C4.2 C19_P_sen1.1 C19_P_sen2.1 C19_P_sen3.1 C19_P_sen4.1 C23.1 D1.1 D2.2 R4.1 U1.3 U2.1 U3.8 U5_P_sen1.7 U5_P_sen2.7 U5_P_sen3.7 U5_P_sen4.7 U6.7 | length 322.9
  Top Layer w0.4: U6.7@182.303,220.98 181.1,220.98 180.465,220.345 180.465,218.186 182.425,216.226 C23.1@182.425,215.646 188.142,215.646 v1(189.23,216.734) 190.191,215.773 193.929,215.773 194.31,216.154 U5_P_sen4.7@194.31,217.364 ; C19_P_sen1.1@189.23,178.325 190.191,177.364 193.929,177.364 194.31,177.745 U5_P_sen1.7@194.31,178.955 ; C19_P_sen3.1@189.23,203.931 190.191,202.97 193.929,202.97 194.31,203.351 U5_P_sen3.7@194.31,204.561 ; v1(189.35,191.128) C19_P_sen2.1@189.23,191.128 190.191,190.167 193.929,190.167 194.31,190.548 U5_P_sen2.7@194.31,191.758
  Top Layer w0.6: U1.3@76.581,111.887 76.581,109.855 77.851,108.585 187.071,108.585 191.135,112.649 v1(191.135,152.273) ; C19_P_sen3.1@189.23,203.931 v1(189.326,203.931) ; v1(197.231,228.727) U3.8@197.231,230.699
  Top Layer w1: U2.1@66.167,111.887 U1.3@76.581,111.887 C2.1@76.581,117.11 ; C2.1@76.454,117.237 C2.1@76.581,117.11 ; C4.2@81.28,116.912 76.779,116.912 C2.1@76.581,117.11
  Bottom Layer w0.6: D2.2@65.927,107.95 66.167,108.19 U2.1@66.167,111.887 69.723,115.443 R4.1@69.723,117.193 ; v1(191.135,152.273) 190.5,152.273 188.468,154.305 188.468,156.21 189.23,156.972 v1(189.23,178.562) 189.23,183.855 190.465,185.09 190.465,186.217 189.35,187.332 v1(189.35,191.128) 189.35,196.778 190.465,197.893 190.465,198.917 189.326,200.056 v1(189.326,203.931) 189.326,209.519 190.627,210.82 190.627,211.582 189.23,212.979 v1(189.23,216.734) 189.23,220.726 v1(197.231,228.727)
  Bottom Layer w1: U1.3@76.581,111.887 76.581,108.19 D1.1@76.821,107.95
12v: C21_relay1.2 C21_relay2.2 C21_relay3.2 C21_relay4.2 C28.1 D3.1 D10_relay1.2 D10_relay2.2 D10_relay3.2 D10_relay4.2 J1.1 K1_relay1.4 K1_relay2.4 K1_relay3.4 K1_relay4.4 P1.2 R15_relay1.2 R15_relay2.2 R15_relay3.2 R15_relay4.2 T1_P_sen1.2 T1_P_sen2.2 T1_P_sen3.2 T1_P_sen4.2 U8.1 | length 517.3
  Top Layer w0.6: R15_relay1.2@99.695,211.709 99.695,215.08 K1_relay1.4@102.166,217.551 ; R15_relay2.2@116.324,211.709 116.324,215.08 K1_relay2.4@118.795,217.551 ; R15_relay3.2@132.953,211.709 132.953,215.08 K1_relay3.4@135.424,217.551 ; R15_relay4.2@149.582,211.709 149.582,215.08 K1_relay4.4@152.053,217.551
  Top Layer w0.8: T1_P_sen1.2@207.081,185.412 210.058,188.389 210.058,195.238 ; T1_P_sen2.2@207.081,198.215 210.058,195.238 ; T1_P_sen3.2@207.081,211.018 210.058,208.041 ; T1_P_sen4.2@207.081,223.821 210.058,220.844 210.058,208.041 ; 210.058,195.238 210.058,208.041
  Top Layer w0.9: J1.1@103.483,121.285 121.666,121.285 122.145,121.764 U8.1@122.145,124.383
  Top Layer w1.5: D3.1@90.946,111.188 92.407,112.649 94.361,112.649 95.25,113.538 95.25,117.475 98.806,121.031 98.977,121.031 ; C28.1@91.313,137.356 91.313,157.734 95.885,162.306 v1(95.885,165.354) ; C28.1@91.625,137.668 95.515,137.668 99.949,133.234 99.949,121.285 J1.1@103.483,121.285 ; v1(95.758,174.879) 95.758,208.915 98.552,211.709 R15_relay1.2@99.695,211.709
  Bottom Layer w0.6: K1_relay1.4@102.166,217.551 102.166,215.359 C21_relay1.2@105.816,211.709 104.648,210.541 104.648,208.833 104.902,208.579 D10_relay1.2@104.902,207.518 ; K1_relay2.4@118.795,217.551 118.795,215.359 C21_relay2.2@122.445,211.709 121.666,210.93 121.666,206.375 123.698,204.343 ; K1_relay3.4@135.424,217.551 135.424,215.359 C21_relay3.2@139.074,211.709 138.274,210.909 D10_relay3.2@138.274,208.026 138.274,205.642 139.573,204.343 ; K1_relay4.4@152.053,217.551 152.053,215.359 C21_relay4.2@155.703,211.709 154.94,210.946 D10_relay4.2@154.94,208.846
  Bottom Layer w0.8: D10_relay1.2@104.902,207.518 104.902,205.74 106.299,204.343 123.698,204.343 139.573,204.343 152.527,204.343 154.94,206.756 D10_relay4.2@154.94,208.846
  Bottom Layer w0.9: 95.758,112.776 96.012,112.776 100.874,107.914 199.711,107.914 206.224,114.427 208.026,114.427 210.944,117.345 210.944,181.549 T1_P_sen1.2@207.081,185.412
  Bottom Layer w1.5: v1(95.758,174.879) 95.758,165.481 v1(95.885,165.354)
-8v: C7.2 C20_P_sen1.2 C20_P_sen2.2 C20_P_sen3.2 C20_P_sen4.2 C25.2 U3.5 U5_P_sen1.4 U5_P_sen2.4 U5_P_sen3.4 U5_P_sen4.4 U6.4 | length 91.2
  Top Layer w0.4: v1(175.203,215.646) 175.203,216.54 U6.4@177.103,218.44 ; v1(189.223,211.208) C20_P_sen3.2@189.23,211.208 191.128,211.208 191.516,210.82 U5_P_sen3.4@191.516,210.245 ; v1(189.23,185.602) 190.323,185.602 U5_P_sen1.4@191.77,184.155 ; v1(189.23,198.405) 190.323,198.405 U5_P_sen2.4@191.77,196.958 ; v1(189.23,224.011) 190.323,224.011 U5_P_sen4.4@191.77,222.564
  Top Layer w0.6: v1(189.23,224.011) 189.23,226.508 U3.5@193.421,230.699 193.421,231.648 194.072,232.299 C7.2@201.041,232.299
  Bottom Layer w0.4: v1(175.203,215.646) 176.473,216.916 184.912,216.916 187.96,219.964 ; v1@188.976,211.455 v1(189.223,211.208)
  Bottom Layer w0.6: v1@188.976,211.455 187.96,212.471 ; v1(189.23,185.602) 188.794,185.602 187.96,186.436 187.96,199.675 ; v1(189.23,198.405) 187.96,199.675 ; v1(189.23,224.011) 189.247,224.011 187.96,222.724 187.96,219.964 187.96,212.471 ; 187.96,199.675 187.96,212.471
ANT: ANT1.1 ANT2.S SIM1.32 | length 14.4
  Top Layer w0.4: SIM1.32@160.528,132.195 163.437,132.195 164.846,133.604 ANT1.1@168.275,133.604 168.275,129.794 169.291,128.778 ANT2.S@169.291,127.992
Aref: C12.2 U4.98 | length 8.7
  Top Layer w0.3: U4.98@139.511,187.741 141.097,189.327 141.097,195.017 C12.2@140.534,195.58
AVCC: C10.2 L1.1 U4.100 | length 8.2
  Top Layer w0.3: C10.2@138.104,195.58 138.104,193.098 L1.1@138.289,192.913 139.7,191.502 139.7,189.344 U4.100@138.804,188.448
CM_relay1: K1_relay1.1 T2_relay1.2 | length 19.7
  Top Layer w2: K1_relay1.1@107.116,215.101 107.141,215.126 T2_relay1.2@107.141,234.823
CM_relay2: K1_relay2.1 T2_relay2.2 | length 19.7
  Top Layer w2: K1_relay2.1@123.745,215.101 123.77,215.126 T2_relay2.2@123.77,234.823
CM_relay3: K1_relay3.1 T2_relay3.2 | length 19.7
  Top Layer w2: K1_relay3.1@140.374,215.101 140.399,215.126 T2_relay3.2@140.399,234.823
CM_relay4: K1_relay4.1 T2_relay4.2 | length 19.7
  Top Layer w2: K1_relay4.1@157.003,215.101 157.028,215.126 T2_relay4.2@157.028,234.823
cs_3.3: J3.2 R28.1 R31.2 | length 10.4
  Top Layer w0.4: J3.2@60.792,140.507 60.874,140.589 61.722,140.589 62.484,139.827 62.484,138.938 63.246,138.176 65.278,138.176 R31.2@66.802,136.652 R28.1@68.961,136.652
DB1: P3.19 P3.20 U4.71 | length 52.8
  Top Layer w0.3: U4.71@146.445,175.165 146.724,174.885 146.739,174.885 178.816,142.808 178.816,140.589 180.213,139.192 P3.20@180.467,139.192 P3.19@183.007,139.192
DB2: P3.21 P3.22 U4.72 | length 50.3
  Top Layer w0.3: U4.72@146.798,175.518 180.467,141.85 P3.22@180.467,141.732 P3.21@183.007,141.732
DB3: P3.23 P3.24 U4.73 | length 49.3
  Top Layer w0.3: U4.73@146.893,176.103 146.921,176.103 178.752,144.272 P3.24@180.467,144.272 P3.23@183.007,144.272
DB4: P3.25 P3.26 U4.74 | length 47.7
  Top Layer w0.3: U4.74@147.514,176.216 176.919,146.812 P3.26@180.467,146.812 P3.25@183.007,146.812
DB5: P3.27 P3.28 U4.75 | length 47.2
  Top Layer w0.3: U4.75@147.289,177.134 175.072,149.352 P3.28@180.467,149.352 P3.27@183.007,149.352
DB6: P3.29 P3.30 U4.76 | length 47.9
  Top Layer w0.3: U4.76@147.289,179.963 147.921,180.594 148.717,180.594 177.419,151.892 P3.30@180.467,151.892 P3.29@183.007,151.892
DB7: P3.31 P3.32 U4.77 | length 47.5
  Top Layer w0.3: U4.77@146.936,180.316 147.848,181.229 148.844,181.229 175.641,154.432 P3.32@180.467,154.432 P3.31@183.007,154.432
DB8: P3.33 P3.34 U4.78 | length 47.1
  Top Layer w0.3: U4.78@146.582,180.67 147.631,181.719 149.243,181.719 173.99,156.972 P3.34@180.467,156.972 P3.33@183.007,156.972
DSPON: P3.43 P3.44 R5.2 | length 8.9
  Top Layer w0.4: R5.2@174.625,170.942 179.197,170.942 P3.44@180.467,169.672 P3.43@183.007,169.672
En: Bluetooth1.6
FS: P3.35 P3.36 R22.2 | length 5.4
  Top Layer w0.4: P3.36@180.467,159.512 P3.35@183.007,159.512
  Bottom Layer w0.4: P3.35@183.007,159.512 183.063,159.568 R22.2@185.801,159.568